# KiCad board omodri_sa_laas.kicad_pcb (continued)
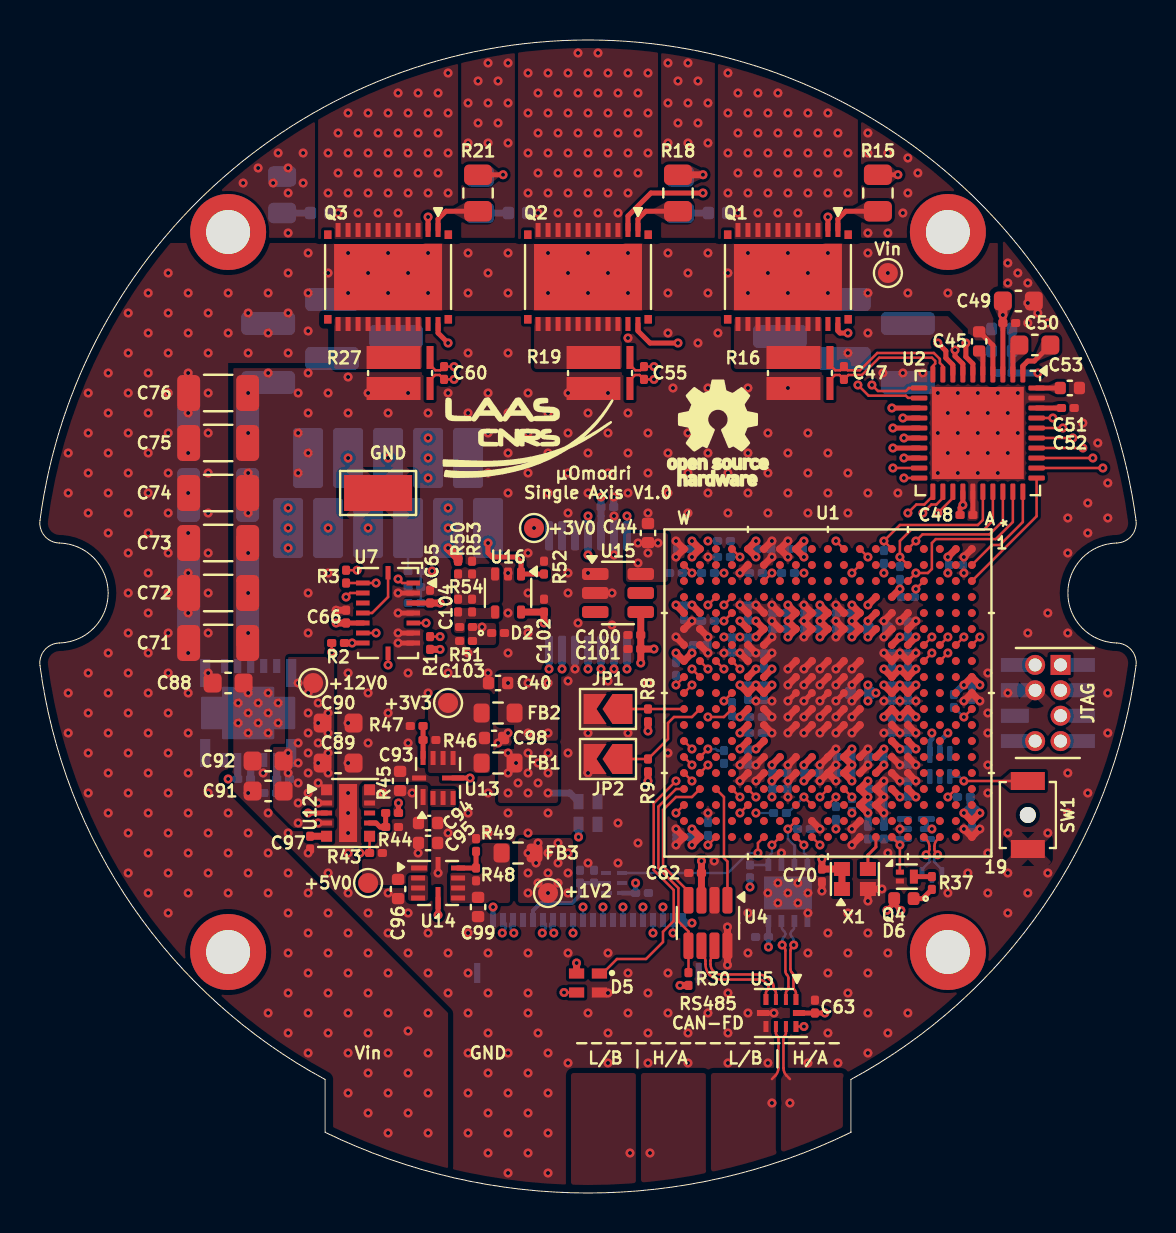
[diagram p0: board, top side]
## Nets (continued)
GND: C1.2 C2.2 C3.2 C4.2 C5.2 C6.2 C7.2 C8.2 C9.2 C10.2 C11.2 C12.2 C13.2 C14.2 C15.2 C16.2 C17.2 C18.2 C19.2 C20.2 C21.2 C22.2 C23.2 C24.2 C25.2 C26.2 C27.2 C28.2 C29.2 C30.2 C31.2 C32.2 C33.2 C34.2 C35.2 C36.2 C37.2 C38.2 C39.2 C40.2 C41.2 C42.2 C43.2 C44.2 C48.2 C49.2 C50.2 C51.1 C52.2 C57.2 C58.2 C59.2 C61.2 C62.2 C63.2 C64.2 C65.2 C66.2 C67.2 C68.1 C69.2 C70.2 C71.2 C72.2 C73.2 C74.2 C75.2 C76.2 C77.2 C78.2 C79.2 C80.2 C81.2 C82.2 C83.2 C84.2 C85.2 C86.2 C87.2 C88.2 C89.2 C90.2 C91.2 C92.2 C93.2 C94.2 C95.2 C96.2 C97.2 C98.2 C99.2 C100.2 C101.2 C102.2 C103.2 D1.2 D2.2 D3.1 D4.4 D5.4 D7.2 J1.2 J1.10 J2.6 J2.8 J2.10 J2.13 J2.17 J2.MP1 J2.MP2 J3.4 JP1.2 JP2.2 Q4.2 R12.2 R13.2 R14.2 R16.4 R17.1 R19.4 R20.1 R27.4 R28.1 R32.1 R35.2 R39.2 R42.1 R45.1 R47.2 R49.2 R52.1 R53.1 R55.2 SW1.1 TP1.1 U1.A1 U1.A10 U1.A19 U1.E5 U1.E6 U1.E8 U1.E12 U1.E14 U1.E15 U1.F5 U1.F6 U1.F8 U1.F12 U1.F14 U1.F15 U1.G16 U1.G17 U1.H8 U1.H9 U1.H10 U1.H11 U1.H12 U1.H14 U1.H15 U1.H18 U1.H19 U1.J5 U1.J6 U1.J8 U1.J9 U1.J10 U1.J11 U1.J12 U1.K8 U1.K9 U1.K10 U1.K11 U1.K12 U1.K14 U1.K15 U1.L5 U1.L6 U1.L8 U1.L9 U1.L10 U1.L11 U1.L12 U1.L18 U1.M8 U1.M9 U1.M10 U1.M11 U1.M12 U1.M14 U1.M15 U1.N1 U1.N5 U1.N6 U1.P1 U1.P2 U1.P5 U1.P7 U1.P8 U1.P11 U1.P12 U1.P14 U1.P15 U1.R2 U1.R5 U1.R7 U1.R8 U1.R14 U1.R15 U1.V6 U1.V7 U1.W1 U1.W6 U1.W7 U1.W19 U2.25 U2.39 U2.41 U3.5 U3.13 U4.2 U4.8 U5.5 U5.6 U6.2 U6.5 U6.9 U7.2 U7.4 U7.6 U7.7 U8.3 U9.5 U10.5 U11.3 U11.6 U11.10 U11.13 U11.15 U12.11 U13.10 U14.10 U15.1 U15.2 U16.2 X1.2
VDD_1V2: C2.1 C3.1 C4.1 C5.1 C6.1 C7.1 C8.1 C9.1 C10.1 C11.1 C12.1 FB3.2 R13.1 R14.1 TP6.1 U1.E9 U1.E11 U1.F9 U1.F11 U1.G14 U1.G15 U1.J14 U1.J15 U1.K5 U1.K6 U1.P10 U1.P13 U1.R10 U1.R13 U10.1
VDD_3V3: C13.1 C14.1 C15.1 C16.1 C17.1 C18.1 C19.1 C20.1 C21.1 C22.1 C23.1 C24.1 C25.1 C26.1 C27.1 C28.1 C29.1 C30.1 C31.1 C32.1 C33.1 C34.1 C35.1 C36.1 C61.1 C62.1 C63.1 C64.1 C65.1 C66.1 C67.1 C70.1 C102.1 D4.2 D5.2 D6.2 FB1.2 J2.1 J3.2 R1.2 R6.1 R8.1 R9.1 R10.1 R11.1 R25.2 R26.2 R29.2 R30.1 R31.2 R33.2 R34.2 R36.1 U1.A9 U1.A18 U1.B1 U1.E7 U1.E10 U1.E13 U1.E16 U1.F4 U1.F7 U1.F10 U1.F13 U1.F16 U1.G4 U1.G5 U1.G6 U1.H5 U1.H6 U1.H16 U1.H17 U1.L14 U1.L15 U1.M1 U1.M5 U1.M6 U1.N14 U1.N15 U1.P9 U1.R9 U1.R11 U1.R12 U1.V19 U1.W8 U3.11 U3.12 U4.3 U5.10 U6.8 U7.3 U7.11 U8.6 U9.1 U9.2 U10.2 U16.5 X1.1 X1.4
VDDA_3V3: C37.1 C38.1 C39.1 C40.1 C100.1 C101.1 FB2.2 J1.8 U1.P6 U1.R6 U15.4
/COM_SIMO: J2.12 R5.2
/COM_SOMI: J2.7 R7.2
/ENC2_SPI_SIMO: J1.3 R2.2
/ENC2_SPI_SOMI: J1.4 R3.2
/OMODRI_SA_CAN_RS485/CAN_FD_N: U4.6 U5.4
/OMODRI_SA_CAN_RS485/CAN_FD_P: U4.7 U5.3
/OMODRI_SA_CAN_RS485/CAN_FD_RX: U1.V16 U4.4
/OMODRI_SA_CAN_RS485/CAN_FD_SHDN: R30.2 U1.W16 U4.5
/OMODRI_SA_CAN_RS485/CAN_FD_TX: U1.U16 U4.1
/OMODRI_SA_CAN_RS485/CAN_RS485_N: J2.19 U5.7
/OMODRI_SA_CAN_RS485/CAN_RS485_P: J2.18 U5.8
/OMODRI_SA_CAN_RS485/CAN_RS485_SEL: U1.L19 U5.9
/OMODRI_SA_CAN_RS485/RS485_N: U5.2 U6.7
/OMODRI_SA_CAN_RS485/RS485_P: U5.1 U6.6
/OMODRI_SA_CAN_RS485/RS485_RX: R31.1 U1.N19 U6.1
/OMODRI_SA_CAN_RS485/RS485_TX: U1.M19 U6.4
/OMODRI_SA_CAN_RS485/RS485_TX_EN: R32.2 U1.M18 U6.3
/OMODRI_SA_CLK/25MHz_OSC_SRC: U1.G19 X1.3
/OMODRI_SA_Encoder/ENC1_CHA: U1.H1 U3.7
/OMODRI_SA_Encoder/ENC1_CHB: U1.H2 U3.6
/OMODRI_SA_Encoder/ENC1_CHI: U1.J1 U3.14
/OMODRI_SA_Encoder/ENC1_SPI_CLK: U1.E3 U2.29 U3.2
/OMODRI_SA_Encoder/ENC1_SPI_SIMO: U1.E1 U2.28 U3.3
/OMODRI_SA_Encoder/ENC1_SPI_SOMI: R25.1 U1.E2 U2.27 U3.4
/OMODRI_SA_Encoder/~{ENC1_SPI_CSn}: R29.1 U1.D3 U3.1
/OMODRI_SA_IMU/IMU_INT: U1.W10 U7.1
/OMODRI_SA_IMU/IMU_SPI_CLK: J1.5 U1.V8 U7.8
/OMODRI_SA_IMU/IMU_SPI_SIMO: R2.1 U1.T8 U7.9
/OMODRI_SA_IMU/IMU_SPI_SOMI: R3.1 U1.U8 U7.10 U7.15
/OMODRI_SA_IMU/~{IMU_SPI_ACCEL_CSn}: R34.1 U1.T10 U7.14
/OMODRI_SA_IMU/~{IMU_SPI_GYRO_CSn}: R33.1 U1.W9 U7.5
/OMODRI_SA_JTAG/JTAG_TCK: J3.3 U1.V15
/OMODRI_SA_JTAG/JTAG_TDI: J3.7 U1.W13
/OMODRI_SA_JTAG/JTAG_TDO: J3.8 U1.W15
/OMODRI_SA_JTAG/JTAG_TMS: J3.5 U1.W14
/OMODRI_SA_JTAG/JTAG_~{TRSTn}: J3.1 R35.1 U1.V14
/OMODRI_SA_LED_dbg/LED_SPI_SIMO: D5.1 U1.T11
/OMODRI_SA_LED_dbg/Top_to_bottom_led_link: D4.1 D5.3
/OMODRI_SA_MCU/COM_SPI_CLK: J2.9 U1.K16
/OMODRI_SA_MCU/COM_SPI_SIMO: R5.1 U1.J16
/OMODRI_SA_MCU/COM_SPI_SOMI: R7.1 U1.L17
/OMODRI_SA_MCU/DRV_EN: U1.A3 U2.31
/OMODRI_SA_MCU/GPIO_DBG_0: J2.5 U1.T16
/OMODRI_SA_MCU/GPIO_DBG_1: J2.4 U1.R16
/OMODRI_SA_MCU/GPIO_DBG_2: J2.3 U1.W17
/OMODRI_SA_MCU/GPIO_DBG_3: J2.2 U1.R17
/OMODRI_SA_MCU/GPIO_SELECT_0: JP1.1 R8.2 U1.W11
/OMODRI_SA_MCU/GPIO_SELECT_1: JP2.1 R9.2 U1.V11
/OMODRI_SA_MCU/OMODRI_SA_GPIO/BOOT_MODE_0: R10.2 U1.A11
/OMODRI_SA_MCU/OMODRI_SA_GPIO/BOOT_MODE_1: R11.2 U1.B16
/OMODRI_SA_MCU/OMODRI_SA_MCU_CTRL/ERRORSTS: R12.1 U1.U19
/OMODRI_SA_MCU/PWM1_CHA: U1.C8 U2.32
/OMODRI_SA_MCU/PWM1_CHB: U1.D8 U2.33
/OMODRI_SA_MCU/PWM2_CHA: U1.A7 U2.34
/OMODRI_SA_MCU/PWM2_CHB: U1.B7 U2.35
/OMODRI_SA_MCU/PWM3_CHA: U1.C7 U2.36
/OMODRI_SA_MCU/PWM3_CHB: U1.D7 U2.37
/OMODRI_SA_MCU/USB_DETECT: U1.P19 U8.4
/OMODRI_SA_MCU/USB_N: D3.2 J2.14 U1.D19
/OMODRI_SA_MCU/USB_P: D3.3 J2.15 U1.C19
/OMODRI_SA_MCU/Vanalog1: C1.1 D1.1 R4.1 U1.T4
/OMODRI_SA_MCU/Vanalog_Ia: C59.1 R24.1 U1.T1
/OMODRI_SA_MCU/Vanalog_Ib: C58.1 R23.1 U1.W2
/OMODRI_SA_MCU/Vanalog_Ic: C57.1 R22.1 U1.P3
/OMODRI_SA_MCU/Vthermistor: C103.1 D2.1 R51.2 U1.U4
/OMODRI_SA_MCU/~{COM_SPI_CSn}: J2.11 R6.2 U1.K17
/OMODRI_SA_MCU/~{DRV_FAULTn}: R26.1 U1.F1 U2.26
/OMODRI_SA_MCU/~{DRV_SPI_CSn}: U1.A2 U2.30
/OMODRI_SA_MCU/~{ENC2_SPI_CSn}: J1.6 R1.1 U1.V9
/OMODRI_SA_MCU/~{XRSn}: C69.1 Q4.1 R36.2 SW1.2 U1.F19 U9.4 U10.4
/OMODRI_SA_MOTOR_DRIVER/CPH: C53.1 U2.2
/OMODRI_SA_MOTOR_DRIVER/CPL: C53.2 U2.1
/OMODRI_SA_MOTOR_DRIVER/GHA: Q1.1 R15.2
/OMODRI_SA_MOTOR_DRIVER/GHA_drv: R15.1 U2.6
/OMODRI_SA_MOTOR_DRIVER/GHB: Q2.1 R18.2
/OMODRI_SA_MOTOR_DRIVER/GHB_drv: R18.1 U2.15
/OMODRI_SA_MOTOR_DRIVER/GHC: Q3.1 R21.2
/OMODRI_SA_MOTOR_DRIVER/GHC_drv: R21.1 U2.16
/OMODRI_SA_MOTOR_DRIVER/GLA: Q1.22 U2.8
/OMODRI_SA_MOTOR_DRIVER/GLB: Q2.22 U2.13
/OMODRI_SA_MOTOR_DRIVER/GLC: Q3.22 U2.18
/OMODRI_SA_MOTOR_DRIVER/MOTOR_CH1: C46.2 Q1.3 Q1.4 Q1.5 Q1.6 Q1.7 Q1.8 Q1.9 Q1.10 Q1.11
/OMODRI_SA_MOTOR_DRIVER/MOTOR_CH2: C54.2 Q2.3 Q2.4 Q2.5 Q2.6 Q2.7 Q2.8 Q2.9 Q2.10 Q2.11
/OMODRI_SA_MOTOR_DRIVER/MOTOR_CH3: C56.2 Q3.3 Q3.4 Q3.5 Q3.6 Q3.7 Q3.8 Q3.9 Q3.10 Q3.11
/OMODRI_SA_MOTOR_DRIVER/OUT_M1_CH1: Q1.12 Q1.13 Q1.14 Q1.15 Q1.16 Q1.17 Q1.18 Q1.19 Q1.20 R16.1
/OMODRI_SA_MOTOR_DRIVER/OUT_M1_CH2: Q2.12 Q2.13 Q2.14 Q2.15 Q2.16 Q2.17 Q2.18 Q2.19 Q2.20 R19.1
/OMODRI_SA_MOTOR_DRIVER/OUT_M1_CH3: Q3.12 Q3.13 Q3.14 Q3.15 Q3.16 Q3.17 Q3.18 Q3.19 Q3.20 R27.1
/OMODRI_SA_MOTOR_DRIVER/SHA: Q1.2 U2.7
/OMODRI_SA_MOTOR_DRIVER/SHB: Q2.2 U2.14
/OMODRI_SA_MOTOR_DRIVER/SHC: Q3.2 U2.17
/OMODRI_SA_MOTOR_DRIVER/SNA: C47.1 R16.3 U2.10
/OMODRI_SA_MOTOR_DRIVER/SNB: C55.1 R19.3 U2.11
/OMODRI_SA_MOTOR_DRIVER/SNC: C60.1 R27.3 U2.20
/OMODRI_SA_MOTOR_DRIVER/SOA_out: R24.2 U2.23
/OMODRI_SA_MOTOR_DRIVER/SOB_out: R23.2 U2.22
/OMODRI_SA_MOTOR_DRIVER/SOC_out: R22.2 U2.21
/OMODRI_SA_MOTOR_DRIVER/SPA: C47.2 R16.2 U2.9
/OMODRI_SA_MOTOR_DRIVER/SPB: C55.2 R19.2 U2.12
/OMODRI_SA_MOTOR_DRIVER/SPC: C60.2 R27.2 U2.19
/OMODRI_SA_MOTOR_DRIVER/VCP_DRV: C45.2 U2.5
/OMODRI_SA_MOTOR_DRIVER/VGLS: C51.2 U2.40
/OMODRI_SA_POWER/OMODRI_SA_Alim_1V2/EN_1V2: R43.2 U12.6 U13.5 U14.5
/OMODRI_SA_POWER/OMODRI_SA_Alim_1V2/FB_1V2: R48.2 R49.1 U14.9
/OMODRI_SA_POWER/OMODRI_SA_Alim_1V2/SW: U14.2 U14.3 U14.4
/OMODRI_SA_POWER/OMODRI_SA_Alim_3V3/FB_3V3: R46.2 R47.1 U13.9
/OMODRI_SA_POWER/OMODRI_SA_Alim_3V3/SW: U13.2 U13.3 U13.4
/OMODRI_SA_POWER/OMODRI_SA_Alim_5V/FB_5V0: R44.2 R45.2 U12.7
/OMODRI_SA_POWER/OMODRI_SA_Alim_12V/FB_12V0: R40.2 R42.2 U11.9
/OMODRI_SA_POWER/OMODRI_SA_Alim_12V/PG_12V0: R41.1 U11.12 U12.3
/OMODRI_SA_THERMISTOR/AMP_V-: C104.1 R50.1 R53.2 R54.1 U16.3
/OMODRI_SA_THERMISTOR/AMP_Vout: C104.2 R51.1 R54.2 U16.4
/OMODRI_SA_THERMISTOR/V_THERM_IN: J1.11 R52.2 U16.1
/V_ANALOG_IN: J1.7 R4.2
REF_3V0_BUF: C41.1 C42.1 C43.1 C44.1 C48.1 J1.9 R50.2 TP7.1 U1.R1 U1.V1 U1.V5 U1.W5 U2.24 U15.6
VPOWER: C45.1 C71.1 C72.1 C73.1 C74.1 C75.1 C76.1 C77.1 C78.1 C79.1 C80.1 C81.1 C82.1 C83.1 C84.1 C85.1 C86.1 C88.1 Q1.27 Q2.27 Q3.27 R38.1 TP2.1 U2.4 U11.1 U11.2 U11.14
Net-(C46-Pad1): C46.1 R17.2
Net-(C54-Pad1): C54.1 R20.2
Net-(C56-Pad1): C56.1 R28.2
Net-(D6-K): D6.1 R37.1
Net-(Q4-D): Q4.3 R37.2
Net-(U7-INT1): U7.12 U7.16
Net-(U12-SS/TR): C97.1 U12.5

Pads without a net: D4 3; H1 1; H2 1; H3 1; H4 1; J3 6; Q1 21 23 24 25 26; Q2 21 23 24 25 26; Q3 21 23 24 25 26; U1 A4 A5 A6 A8 A12 A13 A14 A15 A16 A17 B2 B3 B4 B5 B6 B8 B9 B10 B11 B12 B13 B14 B15 B17 B18 B19 C1 C2 C3 C4 C5 C6 C9 C10 C11 C12 C13 C14 C15 C16 C17 C18 D1 D2 D4 D5 D6 D9 D10 D11 D12 D13 D14 D15 D16 D17 D18 E4 E17 E18 E19 F2 F3 F17 F18 G1 G2 G3 G18 H3 H4 J2 J3 J4 J17 J18 J19 K1 K2 K3 K4 K18 K19 L1 L2 L3 L4 L16 M2 M3 M4 M16 M17 N2 N3 N4 N16 N17 N18 P4 P16 P17 P18 R3 R4 R18 R19 T2 T3 T6 T7 T9 T12 T13 T14 T15 T17 T18 T19 U1 U2 U3 U5 U6 U7 U9 U10 U11 U12 U13 U14 U15 U17 U18 V2 V3 V4 V10 V12 V13 V17 V18 W3 W4 W12 W18; U3 8 9 10; U7 13; U8 1 5; U9 3 6; U10 3 6; U11 4 5; U12 8; U15 3 5

## Via types
v1: diameter 0.45, hole 0.2, Top to Bottom, 1128 vias

## Routing (per net, layer and track width the routed paths; a pad name or vN(x,y) marks a point on that pad's centre or on a via; arc(x,y) is an arc through that point)
5V0: length 23.4
  In5_PWR.Cu w0.45: 17.89,20.72 17.89,22.23 12.41,27.71 v1(12.41,32.25) v1(12.41,33.25) v1(12.41,34.25) ; 17.89,20.72 v1(17.16,20) ; 17.89,20.72 v1(18.61,20) ; v1(22.66,14.3) 19.96,17 v1(18.91,17)
  Bottom w0.25: J2.20 v1(22.66,14.3)
12V0: length 60
  Top w0.25: U2.3 C50.1
  Top w0.35: C49.1 C50.1
  Top w0.45: C49.1 v1(48.16,43.9)
  In5_PWR.Cu w0.45: v1(14.41,24) v1(13.91,24.5) v1(13.41,25) v1(12.91,25.5) 11.41,27 11.41,40 15.31,43.9 v1(48.16,43.9)
  vias: v1(12.41,22) v1(12.41,21) v1(12.91,22.5) v1(12.91,21.5) v1(12.91,20.5) v1(12.91,19.5) v1(12.91,18.5) v1(13.41,24) v1(13.41,23) v1(13.41,22) v1(13.41,21) v1(13.41,20) v1(13.91,23.5) v1(13.91,22.5) v1(13.91,21.5) v1(13.91,20.5) v1(13.91,19.5) v1(13.91,18.5) v1(14.41,23) v1(14.41,22) v1(14.41,21)
/OMODRI_SA_MCU/Vbus: length 29.9
  Top w0.125: U1.T5 v1(34.21,28.6)
  In2_sig.Cu w0.125: v1(49.91,41) 49.91,33.8 44.31,28.2 34.61,28.2 v1(34.21,28.6)
  Bottom w0.125: v1(34.21,28.6) C87.1
  Bottom w0.35: v1(49.91,41) D7.1 R39.1 R38.2
/OMODRI_SA_MOTOR_DRIVER/DVDD: length 1.2
  Top w0.25: U2.38 C52.1
/OMODRI_SA_POWER/OMODRI_SA_Alim_12V/V5V_12V0: length 1
  Bottom w0.35: U11.11 10.54,20.71 R41.2
/OMODRI_SA_USB/Vbus: length 5
  Bottom w0.2: U8.2 C68.2 R55.1 27.01,14.9 26.61,14.5 25.04,14.5 24.66,14.12 J2.16
GND: length 111.5
  Top w0.25: U1.L6 38.6,28.2 ; U7.6 v1(17.91,28) ; U1.K12 v1(39.01,23) ; U1.J12 v1(39.81,23) ; U1.K10 v1(39.01,24.6) ; 36.21,23.4 U1.P12 ; U1.L9 v1(38.21,25.4) ; U1.L10 v1(38.21,24.6) ; U1.H8 v1(40.61,26.2) ; U2.25 C48.2 ; v1(17.91,29) U7.4 ; U7.7 v1(17.91,27.5) ; U1.J10 v1(39.81,24.6) ; U1.H12 v1(40.61,23) ; U1.H10 v1(40.61,24.6) ; v1(38.21,26.2) U1.L8 ; v1(40.61,25.4) U1.H9 ; U5.5 v1(36.71,9) ; v1(38.21,23.8) U1.L11 ; R45.1 v1(17.93,19.5) ; U1.M10 v1(37.41,24.6) ; U7.2 v1(17.91,30) ; U1.J8 v1(39.81,26.2) ; U1.L12 v1(38.21,23) ; v1(39.01,23.8) U1.K11
  Top w0.35: U1.J8 v1(39.81,26.2) ; U1.J9 v1(39.81,25.4) ; v1(39.81,27.8) U1.J6 v1(39.81,28.6) ; U1.M11 v1(37.41,23.8) ; U1.K15 v1(39.01,20.6) ; U1.K15 v1(39.81,20.6) ; U1.K15 v1(39.81,21.4) ; U1.H19 v1(40.61,17.4) ; U1.A1 v1(46.21,31.8) ; U1.W6 v1(32.61,28.6) ; U1.K12 v1(39.01,23) ; U1.M9 v1(37.41,25.4) ; U1.V6 v1(33.41,27.8) ; U1.P5 v1(35.81,29.4) ; U1.J12 v1(39.81,23) ; U1.E12 v1(43.81,23) ; U1.F6 v1(42.21,27.8) ; U1.M12 v1(37.41,23) ; U1.F15 v1(43.01,20.6) ; v1(42.11,15.2) X1.2 v1(41.41,14.6) ; v1(46.21,24.6) U1.A10 v1(47.01,24.6) ; U1.F12 v1(43.01,23) ; v1(39.81,22.2) U1.K14 v1(39.01,21.4) ; U1.H14 v1(41.41,22.2) ; U1.J11 v1(39.81,23.8) ; v1(31.81,31.8) U1.W1 v1(31.81,32.6) ; v1(42.21,27) U1.F8 v1(43.01,27) U1.E8 v1(43.81,27) ; U1.L8 v1(38.21,26.2) ; U1.H18 v1(40.61,18.2) ; v1(38.21,29.4) U1.L5 v1(38.21,28.6) U1.L6 v1(38.21,27.8) ; v1(34.39,11.4) U4.8 v1(34.39,13.3) ; U1.J5 v1(39.81,29.4) ; U1.H9 v1(40.61,25.4) ; U1.R15 v1(35.01,20.6) ; U1.E15 v1(43.81,20.6) ; U1.K11 v1(39.01,23.8) ; v1(37.41,31.8) U1.N1 v1(37.41,32.6) ; U1.M15 v1(37.41,20.6) ; v1(31.81,18.2) U1.W19 v1(31.81,17.4) ; U1.M8 v1(37.41,26.2) ; U1.P11 v1(36.61,23.8) ; U1.R8 v1(35.01,27) ; U1.H10 v1(40.61,24.6) ; U1.R7 v1(35.81,27) ; C66.2 v1(14.81,29.14) ; U1.P7 v1(36.61,27.8) ; U1.L12 v1(38.21,23) ; v1(46.21,18.2) U1.A19 v1(47.01,18.2) ; U1.P14 v1(35.81,21.4) ; U1.F5 v1(42.21,28.6) ; U1.M14 v1(37.41,21.4) ; U1.H12 v1(40.61,23) ; U1.K9 v1(39.01,25.4) ; U1.N6 v1(36.61,28.6) ; C70.2 v1(39.11,15.1) ; v1(42.21,20.6) U1.G16 v1(42.21,19.8) U1.G17 v1(42.21,19) ; U1.W7 v1(31.81,27.8) ; U1.H15 v1(41.41,21.4) ; U1.L11 v1(38.21,23.8) ; U1.E6 v1(43.81,28.6) ; U1.E5 v1(43.01,28.6) ; U1.L18 v1(39.01,18.2) ; U1.R2 v1(35.01,31) ; U1.N5 v1(36.61,29.4) ; U1.P12 v1(36.61,23) ; U1.P8 v1(36.61,27) ; U1.E14 v1(43.81,21.4) ; U1.F14 v1(43.01,21.4) ; U1.L9 v1(38.21,25.4) ; U1.K8 v1(39.01,26.2) ; U1.V7 v1(33.41,27) ; U1.H11 v1(40.61,23.8) ; U1.H8 v1(40.61,26.2) ; U1.P2 v1(36.61,31.8) ; U1.R14 v1(35.01,21.4) ; U1.P15 v1(35.81,20.6) ; U1.P1 v1(36.61,32.6) ; U1.R5 v1(35.01,29.4)
  Bottom w0.25: v1(36.61,24.6) 36.29,24.6 C10.2 36.13,24.6 v1(35.81,24.6) 35.49,24.6 C5.2 ; v1(46.21,31) 46.21,31.32 C13.2 46.21,31.48 v1(46.21,31.8) ; C57.2 v1(35.01,31) ; U6.2 v1(37.09,17) ; v1(33.41,31.8) C59.2 ; v1(39.81,22.2) 39.81,21.88 C11.2 39.81,21.72 v1(39.81,21.4) ; v1(37.41,32.6) 37.41,32.28 C14.2 37.41,32.12 v1(37.41,31.8) ; U3.5 v1(26.76,26.2) ; v1(31.81,31.8) 31.81,32.12 C42.2 31.81,32.28 v1(31.81,32.6) ; v1(43.01,18.2) 43.24,18.2
  Bottom w0.35: v1(36.61,27) 36.29,27 C20.2 36.13,27 v1(35.81,27) 35.49,27 C37.2 35.33,27 v1(35.01,27) 34.69,27 C39.2 34.53,27 v1(34.21,27) ; v1(36.61,31.8) 36.61,32.12 C41.2 36.61,32.28 v1(36.61,32.6) ; v1(43.81,28.6) 43.49,28.6 C17.2 43.33,28.6 v1(43.01,28.6) ; v1(39.81,21.4) 39.81,21.08 C9.2 39.81,20.92 v1(39.81,20.6) ; v1(43.01,21.4) 43.33,21.4 C25.2 43.49,21.4 v1(43.81,21.4) ; v1(42.21,23) 42.53,23 R14.2 42.69,23 v1(43.01,23) 43.33,23 C6.2 43.49,23 v1(43.81,23) ; v1(39.81,29.4) 39.81,29.08 C15.2 39.81,28.92 v1(39.81,28.6) 39.81,28.28 C18.2 39.81,28.12 v1(39.81,27.8) ; v1(41.41,22.2) 41.41,21.88 C8.2 41.41,21.72 v1(41.41,21.4) ; v1(47.01,18.2) 46.69,18.2 C30.2 46.53,18.2 v1(46.21,18.2) ; v1(35.81,21.4) 35.49,21.4 C7.2 35.33,21.4 v1(35.01,21.4) ; v1(43.01,20.6) 43.33,20.6 C28.2 43.49,20.6 v1(43.81,20.6) ; v1(36.61,29.4) 36.61,29.08 C16.2 36.61,28.92 v1(36.61,28.6) 36.61,28.28 C32.2 36.61,28.12 v1(36.61,27.8) ; v1(28.71,33.85) U3.13 v1(28.71,31.9) ; v1(33.41,27.8) 33.41,27.48 C19.2 33.41,27.32 v1(33.41,27) ; v1(35.81,29.4) 35.49,29.4 C38.2 35.33,29.4 v1(35.01,29.4) ; v1(42.21,27.8) 42.39,27.98 C36.2 42.39,28.42 v1(42.21,28.6) ; v1(43.81,24.6) 43.49,24.6 C22.2 43.33,24.6 v1(43.01,24.6) 42.69,24.6 C33.2 42.53,24.6 v1(42.21,24.6) ; C61.2 v1(28.7,34.8) ; v1(40.61,25.4) 40.61,25.08 C12.2 40.61,24.92 v1(40.61,24.6) ; v1(31.81,17.4) 31.81,17.72 C31.2 31.81,17.88 v1(31.81,18.2) ; C23.2 v1(36.61,23.8) ; v1(38.21,27.8) 38.21,28.12 R13.2 38.21,28.28 v1(38.21,28.6) 38.21,28.92 C2.2 38.21,29.08 v1(38.21,29.4) ; v1(43.81,27) 43.49,27 C3.2 43.33,27 v1(43.01,27) 42.69,27 C4.2 42.53,27 v1(42.21,27) ; v1(37.41,19.8) 37.41,20.12 C27.2 37.41,20.28 v1(37.41,20.6) 37.41,20.92 C34.2 37.41,21.08 v1(37.41,21.4) ; C24.2 v1(36.61,23) ; v1(39.01,18.2) R32.1 ; v1(39.01,21.4) 39.01,21.08 C26.2 39.01,20.92 v1(39.01,20.6) ; R12.2 v1(33.41,19) ; v1(42.21,20.6) 42.21,20.28 C35.2 42.21,20.12 v1(42.21,19.8) 42.21,19.48 C29.2 42.21,19.32 v1(42.21,19) C69.2 ; C43.2 32.29,28.6 v1(32.61,28.6) C87.2
  vias: v1(9.91,24.5) v1(9.91,23.5) v1(10.16,50.5) v1(10.41,40) v1(10.41,38) v1(10.41,36) v1(10.41,34) v1(10.41,32) v1(10.41,30) v1(10.41,28) v1(10.41,25) v1(10.41,24) v1(10.41,23) v1(10.41,20) v1(10.91,51.25) v1(10.91,24.5) v1(10.91,23.5) v1(11.16,21) v1(11.41,41) v1(11.41,25) v1(11.41,24) v1(11.41,23) v1(11.41,19) v1(11.66,50.5) v1(11.91,52) v1(11.91,24.5) v1(11.91,23.5) v1(12.41,51.25) v1(12.41,50) v1(12.41,48) v1(12.41,18) v1(12.91,40) v1(12.91,38) v1(12.91,36) v1(13.16,52) v1(13.16,50.5) v1(13.41,41) v1(13.41,39) v1(13.41,37) v1(13.41,30) v1(13.41,28) v1(13.41,17) v1(14.41,40) v1(14.41,31) v1(14.41,16) v1(15.41,40.8) v1(15.41,39) v1(15.41,26) v1(15.41,23.5) v1(15.41,21.5) v1(15.41,20) v1(15.41,19) v1(15.41,18) v1(15.41,17) v1(15.41,15) v1(16.41,40) v1(16.41,25) v1(16.41,22.5) v1(16.41,14) v1(17.41,39) v1(17.41,24) v1(17.41,15) v1(17.41,13) v1(18.41,40) v1(18.41,26) v1(18.41,22.5) v1(18.41,14) v1(18.41,12) v1(19.41,39) v1(19.41,25) v1(19.41,13) v1(19.41,11) v1(19.91,16) v1(20.41,40) v1(20.41,26) v1(20.41,18) v1(20.41,12) v1(20.41,10) v1(21.41,54.5) v1(21.41,52.5) v1(21.41,42) v1(21.41,39) v1(21.41,27) v1(21.41,19) v1(21.41,13) v1(21.41,11) v1(21.41,9) v1(21.41,7) v1(21.41,5) v1(21.41,3) v1(21.91,55.6) v1(21.91,53.5) v1(22.41,56.5) v1(22.41,54.5) v1(22.41,52.5) v1(22.41,40) v1(22.41,38) v1(22.41,36) v1(22.41,26) v1(22.41,20) v1(22.41,18) v1(22.41,12) v1(22.41,10) v1(22.41,8) v1(22.41,6) v1(22.41,4) v1(22.41,2) v1(22.91,55.6) v1(22.91,53.5) v1(22.91,22.5) v1(23.41,56.5) v1(23.41,54.5) v1(23.41,52.5) v1(23.41,42) v1(23.41,39) v1(23.41,37) v1(23.41,35) v1(23.41,31) v1(23.41,29) v1(23.41,27) v1(23.41,23) v1(23.41,19) v1(23.41,7) v1(23.41,5) v1(23.41,3) v1(23.41,1) v1(24.41,40) v1(24.41,38) v1(24.41,36) v1(24.41,32) v1(24.41,30) v1(24.41,28) v1(24.41,18) v1(24.41,12) v1(24.41,10) v1(24.41,9) v1(24.41,6) v1(24.41,4) v1(24.41,2) v1(24.91,8) v1(25.41,39) v1(25.41,37) v1(25.41,35) v1(25.41,19) v1(25.41,7) v1(25.41,5) v1(25.41,3) v1(25.41,1) v1(26.41,40) v1(26.41,38) v1(26.41,36) v1(26.41,34) v1(26.41,31) v1(26.41,30) v1(26.41,25.6) v1(26.41,22) v1(26.41,12) v1(26.41,6.5) v1(26.91,28.5) v1(27.41,39) v1(27.41,37) v1(27.41,35) v1(27.41,31) v1(27.41,23) v1(27.41,21) v1(27.41,16.5) v1(27.41,9) v1(28.41,40) v1(28.41,38) v1(28.41,36) v1(28.41,25.6) v1(28.41,12) v1(28.41,10) v1(28.41,8) v1(28.41,6.5) v1(28.61,30) v1(28.61,28.4) v1(28.91,18.5) v1(28.91,16.5) v1(29.41,42.75) v1(29.41,39) v1(29.41,37) v1(29.41,35) v1(29.41,23) v1(29.41,11) v1(29.41,9) v1(29.91,17.5) v1(30.41,38) v1(30.41,36) v1(30.41,34) v1(30.41,25.5) v1(30.41,10) v1(30.41,8) v1(30.41,6.5) v1(31.41,56.5) v1(31.41,54.5) v1(31.41,52.5) v1(31.41,43) v1(31.41,37) v1(31.41,35) v1(31.41,22) v1(31.41,11) v1(31.41,9) v1(31.66,40.25) v1(31.91,55.6) v1(31.91,53.5) v1(32.41,56.5) v1(32.41,54.5) v1(32.41,52.5) v1(32.41,38) v1(32.41,36) v1(32.41,34) v1(32.41,8) v1(32.41,6.5) v1(32.91,55.6) v1(32.91,53.5) v1(32.91,42.5) v1(33.41,54.5) v1(33.41,52.5) v1(33.41,40.25) v1(33.41,37) v1(33.41,35) v1(33.41,9) v1(33.73,16.6) v1(33.91,43) v1(34.41,38) v1(34.41,36) v1(34.41,34) v1(34.41,10) v1(34.41,8) v1(34.41,6.5) v1(35.41,40.25) v1(35.41,37) v1(35.41,35) v1(35.41,14) v1(35.41,12) v1(35.41,9) v1(36.41,38) v1(36.41,36) v1(36.41,34) v1(36.41,15) v1(36.41,6.5) v1(36.91,15.5) v1(36.91,14.5) v1(37.41,40.25) v1(37.41,37) v1(37.41,35) v1(37.41,15) v1(37.91,15.5) v1(37.91,14.5) v1(38.41,38) v1(38.41,36) v1(38.41,34) v1(38.41,15) v1(38.41,14) v1(38.41,12) v1(38.41,6.5) v1(39.41,37) v1(39.41,35) v1(39.41,13) v1(39.41,11) v1(39.41,8) v1(39.91,6.5) v1(40.41,42) v1(40.41,36) v1(40.41,34) v1(40.41,14) v1(40.41,12) v1(40.41,10) v1(41.41,53) v1(41.41,52) v1(41.41,48) v1(41.41,43) v1(41.41,35) v1(41.41,13) v1(41.41,11) v1(41.41,9) v1(41.41,7) v1(42.16,41) v1(42.41,52) v1(42.41,48) v1(42.41,17) v1(42.41,12) v1(42.41,8) v1(42.91,35) v1(43.16,49) v1(43.16,41) v1(43.41,51.75) v1(43.41,50) v1(43.41,9) v1(43.91,51) v1(44.16,41) v1(44.91,40) v1(44.91,38) v1(44.91,36) v1(45.41,39) v1(45.41,37) v1(45.41,15) v1(45.91,40) v1(45.91,38) v1(45.91,36) v1(46.41,39) v1(46.41,37) v1(46.41,16) v1(46.91,40) v1(46.91,38) v1(46.91,36) v1(47.41,39) v1(47.41,37) v1(47.41,26) v1(47.41,24) v1(47.41,23) v1(47.41,21.4) v1(47.41,20) v1(47.41,17) v1(47.41,15) v1(47.91,40) v1(47.91,38) v1(47.91,36) v1(48.41,46.5) v1(48.41,45.5) v1(48.41,39) v1(48.41,37) v1(48.41,25) v1(48.41,18) v1(48.41,16) v1(48.41,14) v1(48.91,46) v1(48.91,40) v1(48.91,38) v1(49.41,45.5) v1(49.41,44.5) v1(49.41,43.5) v1(49.41,28) v1(49.41,15) v1(49.91,44) v1(50.41,43.5) v1(50.41,29) v1(50.41,18) v1(50.41,16) v1(51.41,33.75) v1(51.41,32) v1(51.41,28) v1(51.41,21) v1(51.41,19) v1(52.16,38.5) v1(52.41,34.5) v1(52.41,33) v1(52.41,20) v1(52.91,37.5) v1(53.41,35.5) v1(53.41,33.75) v1(53.41,25) v1(53.41,23)
VDD_1V2: length 26.3
  Top w0.35: v1(39.01,29.4) U1.K5 v1(39.01,28.6) U1.K6 v1(39.01,27.8) ; U1.G15 v1(42.21,21.4) ; v1(35.01,25.4) U1.R10 v1(35.81,25.4) U1.P10 v1(36.61,25.4) ; v1(42.21,23.8) U1.F11 v1(43.01,23.8) U1.E11 v1(43.81,23.8) ; v1(42.21,26.2) U1.F9 v1(43.01,26.2) U1.E9 v1(43.81,26.2) ; v1(40.61,20.6) U1.J15 v1(40.61,21.4) U1.J14 v1(40.61,22.2) ; U1.R13 v1(35.01,22.2) ; U1.G14 v1(42.21,22.2) ; U1.P13 v1(35.81,22.2)
  Bottom w0.25: v1(44.61,23) 44.61,22.7 44.51,22.6 U10.1
  Bottom w0.35: v1(40.61,20.6) 40.61,20.92 C9.1 40.61,21.08 v1(40.61,21.4) 40.61,21.72 C11.1 40.61,21.88 v1(40.61,22.2) ; v1(43.81,26.2) 43.49,26.2 C3.1 43.33,26.2 v1(43.01,26.2) 42.69,26.2 C4.1 42.53,26.2 v1(42.21,26.2) ; v1(43.81,23.8) 43.49,23.8 C6.1 43.33,23.8 v1(43.01,23.8) 42.69,23.8 R14.1 42.53,23.8 v1(42.21,23.8) ; C12.1 41.41,24.92 v1(41.41,24.6) ; C12.1 v1(41.81,25) ; C12.1 41.41,25.08 v1(41.41,25.4) ; v1(36.61,25.4) 36.29,25.4 C10.1 36.13,25.4 v1(35.81,25.4) 35.49,25.4 C5.1 35.33,25.4 v1(35.01,25.4) ; v1(35.81,22.2) 35.49,22.2 C7.1 35.33,22.2 v1(35.01,22.2) ; v1(39.01,27.8) 39.01,28.12 R13.1 39.01,28.28 v1(39.01,28.6) 39.01,28.92 C2.1 39.01,29.08 v1(39.01,29.4) ; v1(42.21,21.4) 42.21,21.72 C8.1 42.21,21.88 v1(42.21,22.2)
  vias: v1(24.41,17) v1(24.41,16) v1(24.41,15) v1(24.81,16.5) v1(24.91,17.5) v1(24.91,15.5) v1(25.41,17) v1(25.41,16) v1(25.41,15) v1(25.91,17.5) v1(25.91,16.5) v1(25.91,15.5) v1(26.41,17) v1(26.41,16) v1(26.41,15)
VDD_3V3: length 80.6
  Top w0.25: 40.61,28.6 40.61,28.6 ; U1.M5 37.8,29 37.4,29.4 ; v1(42.36,14.13) 42.73,14.5 D6.2 42.73,14.47 v1(43.06,14.13) ; v1(39.26,9) C63.1 U5.10 ; U7.11 C66.1 ; U1.R9 v1(35.81,26.2) ; U1.P9 v1(36.61,26.2) ; U1.M6 37.41,28.6 ; U1.E16 v1(43.81,19.8) ; 41.26,19.15 v1(41.41,19) ; U7.3 C65.1 ; U1.F16 v1(43.01,19.8) ; v1(41.41,27.8) U1.G6
  Top w0.35: v1(41.41,27.8) U1.G6 ; v1(47.01,19) U1.A18 v1(46.21,19) ; v1(32.61,17.4) U1.V19 v1(32.61,18.2) ; U1.E16 v1(43.81,19.8) ; v1(37.41,27.8) U1.M6 v1(37.41,28.6) U1.M5 v1(37.41,29.4) ; U4.3 v1(33.09,16.6) ; v1(25.21,28.5) C102.1 U16.5 ; v1(39.11,16.7) C70.1 X1.4 X1.1 ; v1(40.61,29.4) U1.H5 v1(40.61,28.6) U1.H6 v1(40.61,27.8) ; U1.R12 v1(35.01,23) ; U1.R9 v1(35.81,26.2) ; v1(31.81,27) U1.W8 v1(32.61,27) ; U1.F7 v1(43.01,27.8) ; v1(41.41,20.6) U1.H16 v1(41.41,19.8) U1.H17 ; U1.N15 v1(36.61,20.6) ; U1.H17 v1(41.41,19) ; U1.H17 41.26,19.15 ; U1.B1 v1(45.41,31.8) ; R8.1 v1(30.41,23.1) ; v1(46.21,25.4) U1.A9 v1(47.01,25.4) ; U1.P9 v1(36.61,26.2) ; U1.F4 v1(43.01,30.2) ; U1.N14 v1(36.61,21.4) ; v1(38.21,31.8) U1.M1 v1(38.21,32.6) ; R30.1 v1(32.01,10.38) ; U1.R11 v1(35.01,23.8) ; U1.E13 v1(43.81,22.2) ; v1(43.81,25.4) U1.E10 v1(43.01,25.4) U1.F10 v1(42.21,25.4) ; U1.F16 v1(43.01,19.8) ; U1.L14 v1(38.21,21.4) ; U1.E7 v1(43.81,27.8) ; U1.G5 v1(41.41,28.6) ; C65.1 v1(20.01,29.5) ; C66.1 v1(14.81,28.5) ; U1.L15 v1(38.21,20.6) ; R1.2 v1(20.01,27.18) ; R9.1 v1(30.41,20.6) ; D5.2 v1(26.84,11.5) ; U1.G4 v1(41.41,29.4) ; U1.F13 v1(43.01,22.2)
  Bottom w0.25: U10.2 45.01,22.6 v1(45.41,23) ; v1(36.44,12.3) C64.1 U6.8 ; v1(38.21,32.6) 38.21,32.28 C14.1 38.21,32.12 v1(38.21,31.8) ; U8.6 C67.1 v1(29.79,15.5) ; R26.2 v1(42.21,31) ; v1(44.61,18.2) U9.2 44.34,18.25 U9.1 ; v1(45.41,31) 45.41,31.32 C13.1 45.41,31.48 v1(45.41,31.8) ; R31.2 v1(35.51,15.3) ; R29.2 43.01,29.88 v1(43.01,30.2) R25.2
  Bottom w0.35: C24.1 v1(35.01,23) ; D4.2 26.51,20 v1(25.41,20) ; v1(40.61,27.8) 40.61,28.12 C18.1 40.61,28.28 v1(40.61,28.6) 40.61,28.92 C15.1 40.61,29.08 v1(40.61,29.4) ; v1(42.21,25.4) 42.53,25.4 C33.1 42.69,25.4 v1(43.01,25.4) 43.33,25.4 C22.1 43.49,25.4 v1(43.81,25.4) ; v1(35.81,26.2) 36.13,26.2 C20.1 36.29,26.2 v1(36.61,26.2) ; v1(39.81,18.2) R6.1 ; v1(36.61,19.8) 36.61,20.12 C27.1 36.61,20.28 v1(36.61,20.6) 36.61,20.92 C34.1 36.61,21.08 v1(36.61,21.4) ; v1(38.21,20.6) 38.21,20.92 C26.1 38.21,21.08 v1(38.21,21.4) ; U3.12 C61.1 v1(28.06,34.8) ; C19.1 32.61,27.32 v1(32.61,27) ; R33.2 v1(31.81,27) ; v1(41.41,28.6) 41.41,28.22 C36.1 41.41,28.18 v1(41.41,27.8) ; v1(43.01,19.8) 43.33,19.8 C28.1 43.49,19.8 v1(43.81,19.8) ; v1(43.81,27.8) 43.49,27.8 C17.1 43.33,27.8 v1(43.01,27.8) ; v1(43.81,22.2) 43.49,22.2 C25.1 43.33,22.2 v1(43.01,22.2) ; v1(37.41,27.8) 37.41,28.12 C32.1 37.41,28.28 v1(37.41,28.6) 37.41,28.92 C16.1 37.41,29.08 v1(37.41,29.4) ; C23.1 v1(35.01,23.8) 34.69,23.8 R34.2 ; J2.1 32.31,13.5 v1(32.61,13.5) ; v1(27.41,33.85) U3.11 v1(27.41,31.9) ; v1(41.41,20.6) 41.41,20.28 C35.1 41.41,20.12 v1(41.41,19.8) 41.41,19.48 C29.1 41.41,19.32 v1(41.41,19) R36.1 ; v1(47.01,25.4) 46.69,25.4 C21.1 46.53,25.4 v1(46.21,25.4) 46.19,25.4 R10.1 ; v1(32.61,18.2) 32.61,17.88 C31.1 32.61,17.72 v1(32.61,17.4) ; 46.53,19 C30.1 46.69,19 v1(47.01,19) 46.53,19.48 R11.1 46.53,19.32 v1(46.21,19) 46.53,19
  vias: v1(23.41,22) v1(23.41,21) v1(23.41,20) v1(23.81,21.5) v1(23.91,20.5) v1(24.41,22) v1(24.41,21) v1(24.41,20) v1(24.91,21.5) v1(24.91,20.5) v1(25.41,22) v1(25.41,21)